# Altium PCB DM1092.PcbDoc (part 5 of 5)
Units mm, origin at the board's own origin, x right, y up, seen from the top; angles counter-clockwise.
Board outline 60 x 51 mm, 6 copper layers (Layer 1, Layer 2, Layer 3, Layer 4, Layer 5, Layer 6), stack 1.599 mm thick; 254 components, 187 nets, 978 pads, 548 vias.
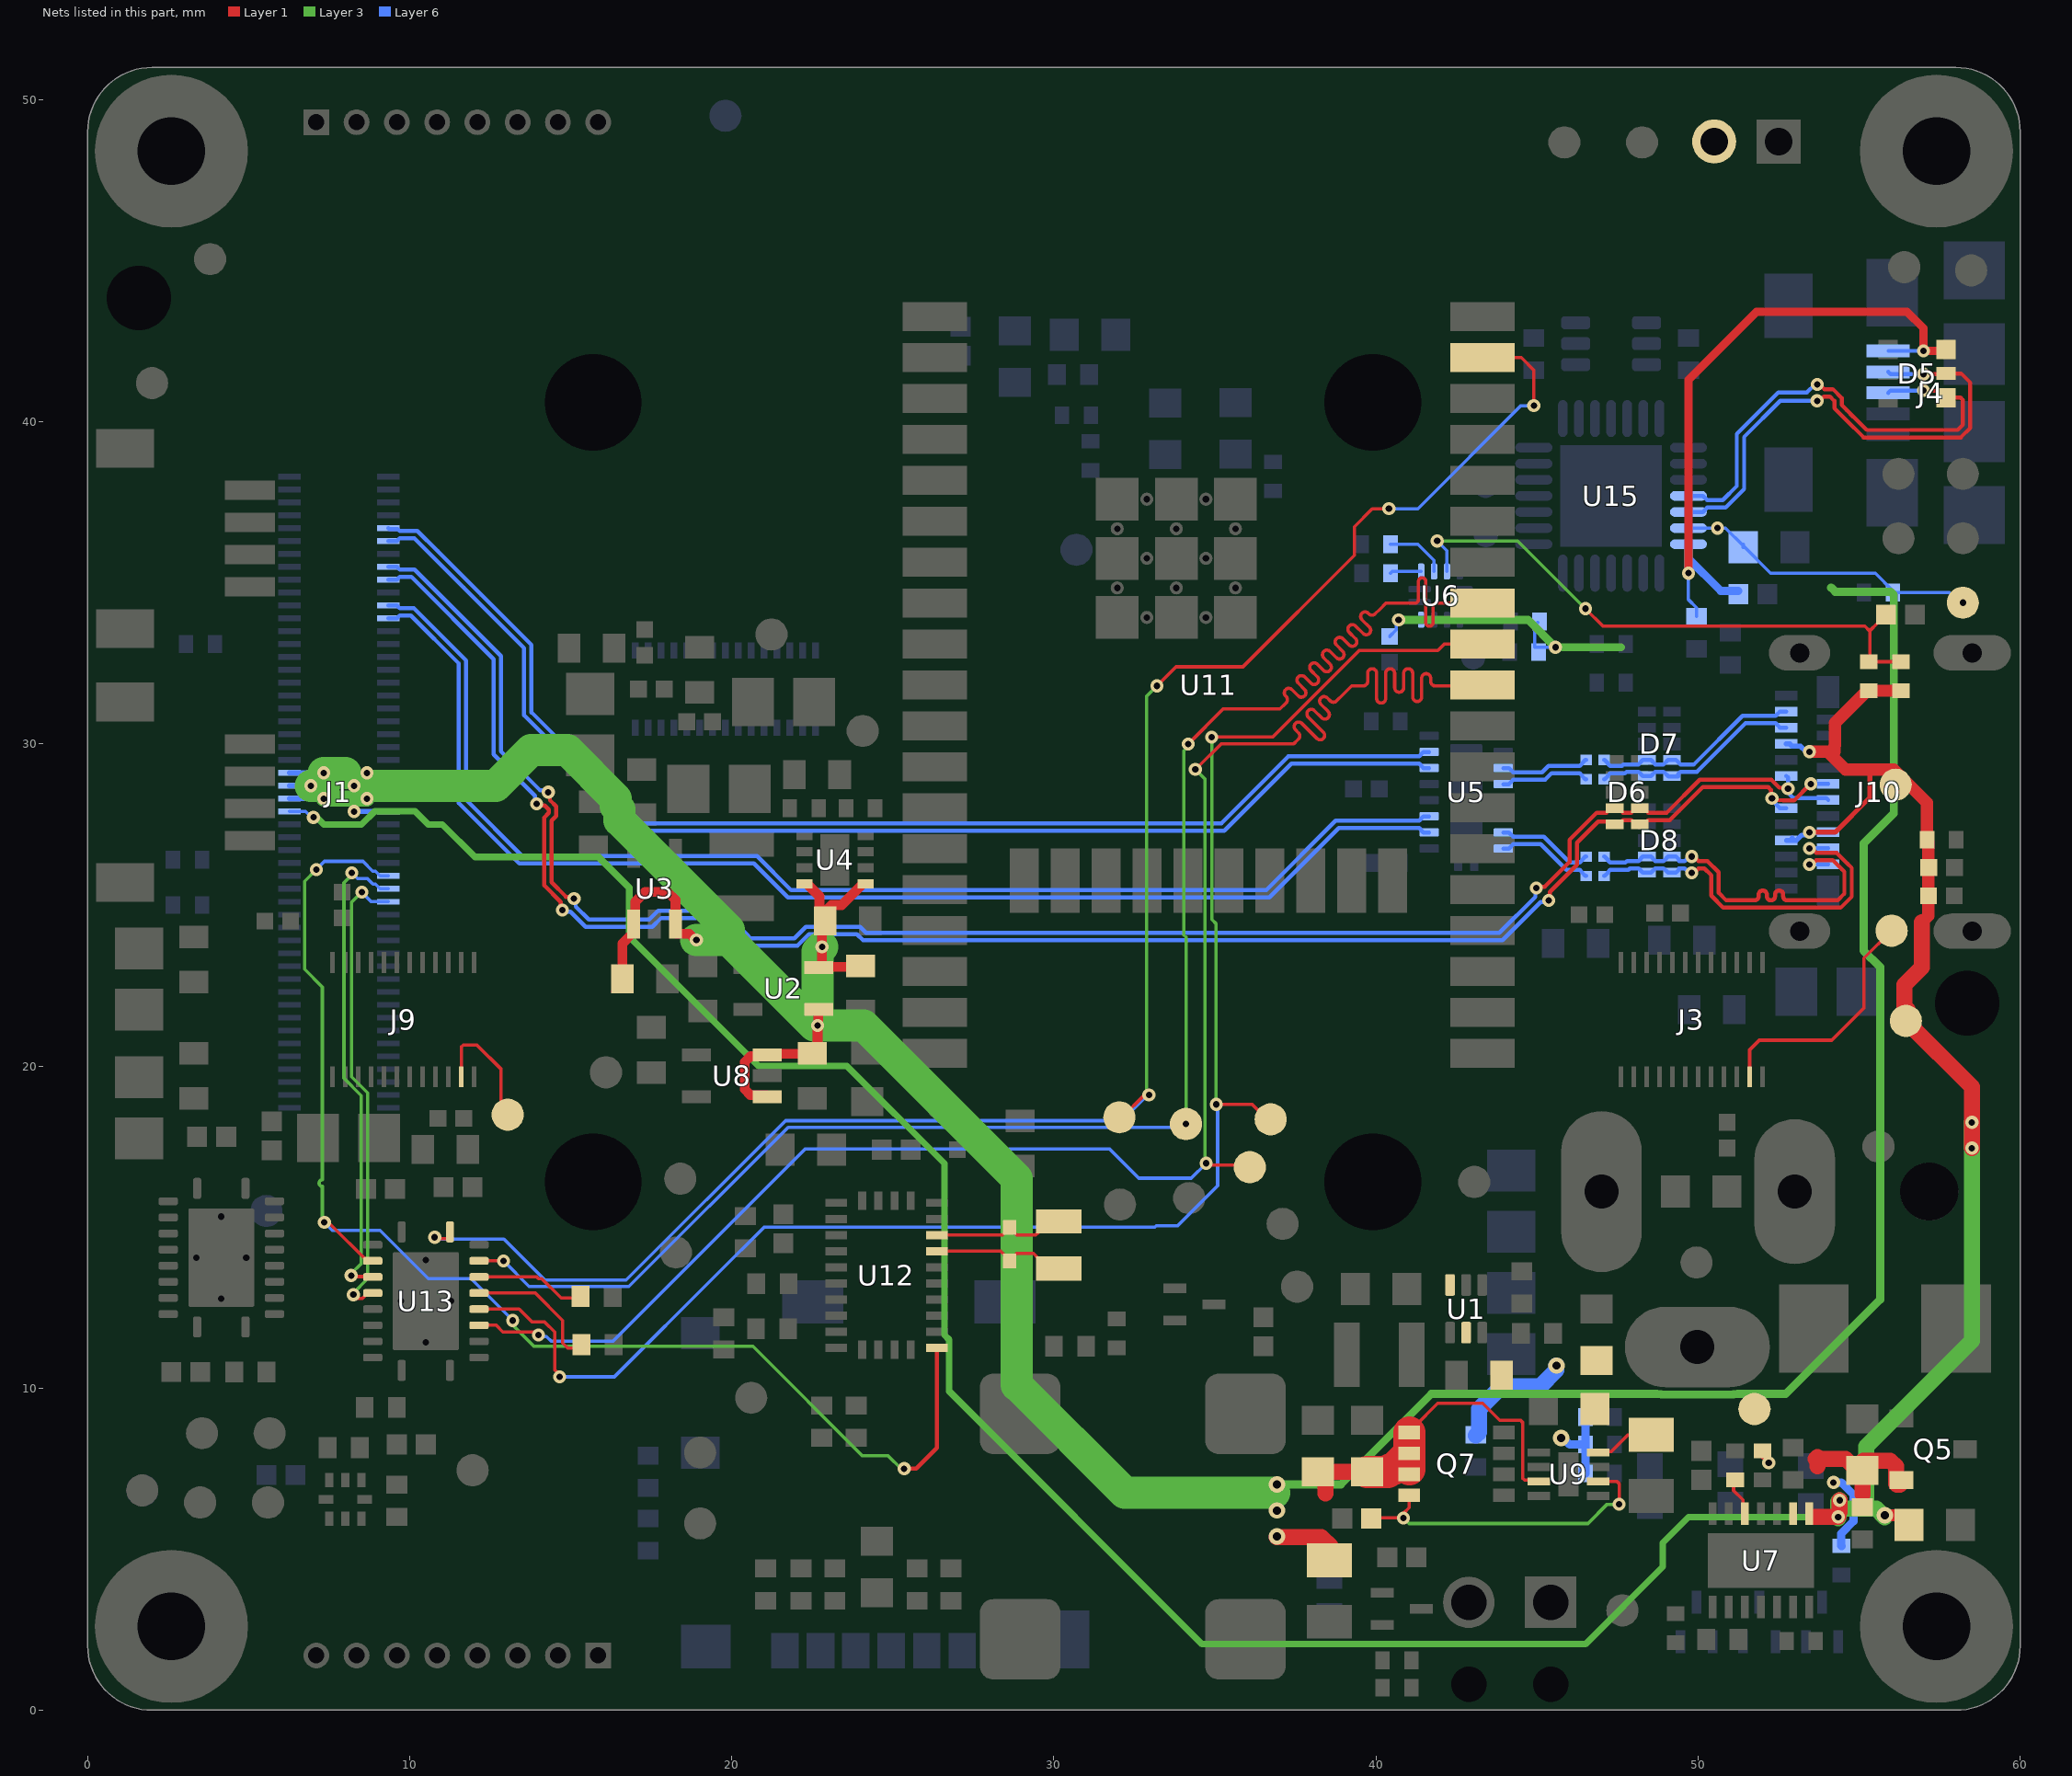
[diagram p9: the nets of this part, all layers, seen from the top]

## Via types
v1: diameter 0.406, hole 0.203, Layer 1 to Layer 6, tented both sides, 495 vias
v2: diameter 0.508, hole 0.254, Layer 1 to Layer 6, tented both sides, 29 vias
v3: diameter 0.508, hole 0.254, Layer 1 to Layer 6, tented top, 16 vias
v4: diameter 0.5, hole 0.2, Layer 1 to Layer 6, 6 vias
v5: diameter 0.406, hole 0.203, Layer 1 to Layer 6, tented bottom, 2 vias

## Nets (pads, with @x,y where several pads share a name; then routed paths per layer and width w, separated by ;. In a path a pad name is that pad's centre, name@x,y a point inside that pad or via, vN(x,y) a via of type N, cw(c..) or ccw(c..) an arc to the next point about the centre after c; other vN are vias at no path point) (continued)
SPI0_SIO1: J1.64 U12.20 U13.3 | length 41.6
  Layer 1 w0.102: v1(7.349,15.145) 7.407,15.086 7.534,15.086 8.67,13.95 U13.3@8.75,13.95
  Layer 1 w0.127: v1(25.35,7.5) 25.722,7.5 26.363,8.141 U12.20@26.363,11.25
  Layer 3 w0.102: v1(7.1,26.1) 6.733,25.733 6.733,23.005 7.287,22.452 7.287,17.652 7.287,17.481 7.287,17.278 7.287,17.075 7.287,16.872 7.287,16.668 7.287,16.465 ccw(c7.287,16.364) 7.287,16.262 7.287,16.059 7.287,15.856 7.287,15.206 v1(7.349,15.145) ; v1(13.2,12.1) 13.2,11.949 13.853,11.296 20.654,11.296 24.054,7.896 24.854,7.896 25.25,7.5 v1(25.35,7.5)
  Layer 6 w0.102: v1(7.1,26.1) 7.354,26.354 8.546,26.354 8.854,26.046 8.933,26.046 9.08,25.9 J1.64@9.34,25.9 ; v1(7.349,15.145) 7.593,14.9 9.074,14.9 10.574,13.4 11.9,13.4 v1(13.2,12.1)
SPI0_SIO2: J1.66 U13.4 | length 15
  Layer 1 w0.102: v1(8.182,13.494) 8.214,13.463 8.838,13.463 U13.4@8.85,13.45
  Layer 3 w0.102: v1(8.182,13.494) 8.182,13.551 8.492,13.861 8.492,19.084 7.958,19.618 7.958,25.685 8.2,25.927 v1(8.2,26)
  Layer 6 w0.102: v1(8.2,26) 8.382,25.818 8.687,25.818 8.858,25.646 8.933,25.646 9.08,25.5 J1.66@9.34,25.5
SPI0_SIO3: J1.68 U13.5 | length 14.6
  Layer 1 w0.102: v1(8.25,12.9) 8.371,12.779 8.529,12.779 8.725,12.975 U13.5@8.75,12.95
  Layer 3 w0.102: v1(8.25,12.9) 8.25,12.95 8.693,13.393 8.693,19.167 8.198,19.663 8.198,25.084 v1(8.514,25.4)
  Layer 6 w0.102: v1(8.514,25.4) 8.514,25.386 8.8,25.1 J1.68@9.34,25.1
STRB2: J9.14 TP18.1 | length 3.9
  Layer 1 w0.102: J9.14@11.6,19.663 11.6,20.594 11.659,20.653 12.085,20.653 12.838,19.9 TP18.1@12.838,18.488
STROBE1: J3.14 TP5.1 | length 7.7
  Layer 1 w0.102: J3.14@51.6,19.663 51.6,20.5 51.9,20.8 54.15,20.8 55.15,21.8 55.15,23.35 TP5.1@56,24.2
TXB1_N: C32.2 U5.15 | length 2.8
  Layer 6 w0.127: U5.15@43.95,28.75 44.125,28.75 44.261,28.886 45.249,28.886 45.449,29.086 46.329,29.086 46.404,29.011 46.404,28.997 46.5,28.9 C32.2@46.52,28.9
TXB1_P: C31.2 U5.14 | length 2.8
  Layer 6 w0.127: U5.14@43.95,29.25 44.125,29.25 44.261,29.114 45.155,29.114 45.355,29.314 46.329,29.314 46.404,29.389 46.404,29.404 46.5,29.5 C31.2@46.52,29.5
TXB_N: C32.1 D7.5 D7.6 J10.A3 | length 6.7
  Layer 6 w0.127: C32.1@47.08,28.9 47.1,28.9 47.197,28.996 47.197,29.011 47.271,29.086 47.729,29.086 47.779,29.136 48.149,29.136 48.285,29 48.535,29 48.671,29.136 48.929,29.136 49.08,28.985 49.19,28.985 49.378,28.985 49.378,29.063 49.451,29.136 49.966,29.136 51.472,30.642 52.405,30.642 52.541,30.506 J10.A3@52.741,30.506
TXB_P: C31.1 D7.4 D7.7 J10.A2 | length 6.7
  Layer 6 w0.127: C31.1@47.08,29.5 47.1,29.5 47.197,29.404 47.197,29.389 47.271,29.314 47.634,29.314 47.684,29.364 48.149,29.364 48.285,29.5 48.535,29.5 48.671,29.364 48.929,29.364 49.065,29.5 49.315,29.5 49.451,29.364 49.871,29.364 51.377,30.871 52.405,30.871 52.541,31.006 J10.A2@52.741,31.006
TXC1_N: C34.2 U5.19 | length 3
  Layer 6 w0.127: U5.19@43.95,26.75 44.125,26.75 44.261,26.886 45.114,26.886 45.914,26.086 46.329,26.086 46.404,26.011 46.404,25.997 46.5,25.9 C34.2@46.52,25.9
TXC1_P: C33.2 U5.18 | length 3
  Layer 6 w0.127: U5.18@43.95,27.25 44.125,27.25 44.261,27.114 45.209,27.114 46.009,26.314 46.329,26.314 46.404,26.389 46.404,26.404 46.5,26.5 C33.2@46.52,26.5
TXC_N: C34.1 D8.5 D8.6 J10.B3 | length 12.2
  Layer 1 w0.127: v1(49.8,25.997) 49.875,25.997 50.014,26.136 50.194,26.136 50.405,25.924 50.405,25.287 50.778,24.914 54.425,24.914 54.769,25.257 54.769,26.152 54.651,26.271 54.301,26.621 53.668,26.621 53.532,26.756 v1(53.457,26.756)
  Layer 6 w0.127: C34.1@47.08,25.9 47.1,25.9 47.197,25.997 47.197,26.011 47.271,26.086 47.834,26.086 47.884,26.136 48.149,26.136 48.285,26 D8.6@48.41,26 48.535,26 48.671,26.136 48.929,26.136 49.065,26 D8.5@49.19,26 49.315,26 49.401,26.087 49.401,26.131 49.406,26.136 49.586,26.136 49.725,25.997 v1(49.8,25.997) ; v1(53.457,26.756) J10.B3@54.041,26.756
TXC_P: C33.1 D8.4 D8.7 J10.B2 | length 12.2
  Layer 1 w0.127: v1(49.8,26.503) 49.875,26.503 50.014,26.364 50.288,26.364 50.634,26.019 50.634,25.381 50.873,25.142 51.689,25.142 51.753,25.142 ccw(c51.753,25.269) 51.88,25.269 51.88,25.32 cw(c52.007,25.32) 52.134,25.32 52.134,25.269 ccw(c52.261,25.269) 52.388,25.269 52.388,25.32 cw(c52.515,25.32) 52.642,25.32 52.642,25.269 ccw(c52.769,25.269) 52.769,25.142 53.467,25.142 54.331,25.142 54.541,25.352 54.541,26.035 54.466,26.109 54.183,26.392 53.668,26.392 53.532,26.256 v1(53.457,26.256)
  Layer 6 w0.127: C33.1@47.08,26.5 47.1,26.5 47.197,26.404 47.197,26.389 47.271,26.314 47.74,26.314 47.79,26.364 48.149,26.364 48.285,26.5 D8.7@48.41,26.5 48.535,26.5 48.671,26.364 48.929,26.364 49.065,26.5 D8.4@49.19,26.5 49.315,26.5 49.401,26.414 49.401,26.369 49.406,26.364 49.586,26.364 49.725,26.503 v1(49.8,26.503) ; v1(53.457,26.256) J10.B2@54.041,26.256
USB_CM: R14.1 U6.3 | length 1
  Layer 6 w0.102: R14.1@40.45,35.3 40.5,35.35 U6.3@41.4,35.35
USB_D_N: D6.1 D6.10 J1.18 J10.A7 J10.B7 | length 57.4
  Layer 1 w0.127: v1@13.942,28.086 v1(13.942,28.142) 13.995,28.089 14.192,28.089 14.319,27.962 14.319,27.857 14.171,27.709 14.171,25.609 14.689,25.092 14.689,24.895 v1(14.742,24.842) ; v1(45.358,25.142) 45.399,25.182 45.399,25.404 46.237,26.243 46.237,26.928 46.895,27.586 47.324,27.586 D6.10@47.41,27.5 47.535,27.5 47.671,27.636 47.929,27.636 48.065,27.5 D6.1@48.19,27.5 48.315,27.5 48.451,27.636 49.124,27.636 50.146,28.657 52.178,28.657 52.259,28.577 52.259,28.338 v1(52.291,28.306) 52.344,28.253 52.626,28.253 52.639,28.24 52.979,28.24 v1(53.496,28.756)
  Layer 6 w0.127: J1.18@9.34,35.1 9.6,35.1 9.686,35.186 10.054,35.186 12.608,32.632 12.608,29.672 13.889,28.392 13.889,28.195 v1(13.942,28.142) ; v1(14.742,24.842) 14.795,24.789 14.992,24.789 15.464,24.317 17.531,24.317 17.811,24.596 19.626,24.596 20.154,24.068 20.485,23.737 22.035,23.737 22.392,24.095 23.884,24.095 24.075,23.904 41.402,23.904 43.815,23.904 43.924,23.904 45.108,25.089 45.305,25.089 v1(45.358,25.142) ; v1(52.291,28.306) 52.291,28.256 52.541,28.006 J10.A7@52.741,28.006 ; v1(53.496,28.756) J10.B7@54.041,28.756
USB_D_P: D6.2 D6.9 J1.16 J10.A6 J10.B6 | length 57
  Layer 1 w0.127: v1(14.3,28.5) 14.353,28.447 14.353,28.25 14.547,28.056 14.547,27.762 14.4,27.615 14.4,25.704 14.85,25.253 15.047,25.253 v1(15.1,25.2) ; v1(44.975,25.525) 45.015,25.566 45.237,25.566 46.009,26.338 46.009,27.023 46.85,27.864 47.149,27.864 47.285,28 D6.9@47.41,28 47.535,28 47.671,27.864 47.929,27.864 48.065,28 D6.2@48.19,28 48.315,28 48.451,27.864 49.029,27.864 50.051,28.886 52.273,28.886 52.52,28.638 52.759,28.638 v1(52.791,28.606)
  Layer 6 w0.127: J1.16@9.34,35.5 9.6,35.5 9.686,35.414 10.149,35.414 12.836,32.727 12.836,29.767 14.05,28.553 14.247,28.553 v1(14.3,28.5) ; v1(15.1,25.2) 15.153,25.147 15.153,24.95 15.558,24.545 17.436,24.545 17.716,24.825 19.721,24.825 19.788,24.758 20.47,24.076 20.58,23.966 21.94,23.966 22.298,24.323 23.979,24.323 24.17,24.132 43.829,24.132 44.947,25.25 44.947,25.447 v1@45,25.5 ; J10.A6@52.741,29.006 52.791,28.956 v1(52.791,28.606) 52.844,28.553 52.844,28.431 52.956,28.32 53.977,28.32 J10.B6@54.041,28.256
USB_PORT: R16.1 U6.4 | length 1.9
  Layer 6 w0.102: R16.1@40.45,36.2 41.3,36.2 41.8,35.7 U6.4@41.8,35.35
USB_RX_N: J1.12 U5.7 | length 38.3
  Layer 6 w0.127: J1.12@9.34,36.3 9.6,36.3 9.686,36.386 10.141,36.386 11.678,34.849 11.812,34.715 13.552,32.974 13.552,30.883 17.13,27.305 35.293,27.305 37.374,29.386 41.339,29.386 41.475,29.25 U5.7@41.65,29.25
USB_RX_P: J1.10 U5.8 | length 38.3
  Layer 6 w0.127: J1.10@9.34,36.7 9.366,36.674 9.626,36.674 9.686,36.614 10.236,36.614 10.856,35.994 12.218,34.632 13.781,33.069 13.781,30.977 17.225,27.533 35.198,27.533 37.279,29.614 41.339,29.614 41.475,29.75 U5.8@41.65,29.75
USB_SUSP: R50.2 U7.5 | length 1.2
  Layer 1 w0.102: R50.2@51.1,7.15 51.1,6.815 51.389,6.526 51.389,6.161 U7.5@51.45,6.1
USB_TX_N: J1.24 U5.3 | length 39.5
  Layer 6 w0.127: J1.24@9.34,33.9 9.6,33.9 9.686,33.986 10.033,33.986 11.525,32.494 11.525,28.161 13.397,26.288 20.688,26.288 21.742,25.235 36.69,25.235 38.841,27.386 41.339,27.386 41.475,27.25 U5.3@41.65,27.25
USB_TX_P: J1.22 U5.4 | length 39.5
  Layer 6 w0.127: J1.22@9.34,34.3 9.6,34.3 9.686,34.214 10.128,34.214 11.753,32.589 11.753,28.256 13.492,26.517 20.783,26.517 21.836,25.464 36.596,25.464 38.746,27.614 41.339,27.614 41.475,27.75 U5.4@41.65,27.75
USBSER_D_N: D5.4 J4.3 U15.4 | length 14.7
  Layer 1 w0.127: v1(53.7,41.161) 53.768,41.161 53.914,41.014 54.183,41.014 54.457,40.74 54.457,40.52 54.625,40.352 54.809,40.168 54.819,40.158 55.233,39.744 58.059,39.744 58.222,39.907 58.222,40.676 58.148,40.75 D5.4@57.7,40.75 ; v1(57,40.972) D5.4@57.478,40.972
  Layer 6 w0.127: U15.4@49.7,37.7 50.15,37.7 50.286,37.564 50.465,37.564 50.761,37.564 51.201,38.004 51.201,39.625 52.49,40.913 53.377,40.913 53.625,41.161 v1(53.7,41.161) ; J4.3@55.9,40.9 55.972,40.972 v1(57,40.972)
USBSER_D_P: D5.5 J4.2 U15.5 | length 16.1
  Layer 1 w0.127: v1(53.694,40.648) 53.77,40.648 53.907,40.786 54.088,40.786 54.228,40.645 54.228,40.425 54.58,40.073 55.138,39.516 58.154,39.516 58.451,39.813 58.451,41.214 58.165,41.5 D5.5@57.7,41.5 57.678,41.478 v1(57,41.478)
  Layer 6 w0.127: U15.5@49.7,37.2 50.15,37.2 50.286,37.336 50.465,37.336 50.856,37.336 51.429,37.909 51.429,39.53 52.548,40.648 v1(53.694,40.648) ; J4.2@55.9,41.55 55.972,41.478 v1(57,41.478)
VBUS: C29.2 C30.2 C66.2 J1.53 J10.A4 J10.A9 J10.B4 J10.B9 R11.2 R15.1 R17.1 TP8.1 TP19.1 U7.1 | length 109.5
  Layer 1 w0.152: v1(53.457,27.256) 54.253,27.256 55.329,28.332 55.329,29.2
  Layer 1 w0.381: v1(53.457,29.756) 54.028,29.756 ; v2(55.796,6.052) 56.446,6.052 56.484,6.015 56.49,6.021 56.725,5.786 C66.2@56.725,5.75 ; R15.1@56.299,31.649 55.249,31.649 54.251,30.651 54.251,29.949 54.231,29.93 54.231,29.75 54.029,29.75 54.579,29.2 55.329,29.2 56.079,29.2 57.101,28.178 R11.2@57.101,27.02 ; 56.95,24.464 57.151,24.665 C29.2@57.151,25.282 57.151,26.094 57.159,26.101 57.159,26.225 57.151,26.233 57.151,26.865 57.143,26.873 57.143,26.942 57.101,26.984 R11.2@57.101,27.02 ; R11.2@57.109,27.027 R11.2@57.101,27.02
  Layer 1 w0.5: 53.612,6 v1(54.35,6) ; v1@54.394,6.155 v1(54.394,6.517) ; TP8.1@56.45,21.4 58.5,19.35 v1(58.5,18.25) v1(58.5,17.45) ; TP8.1@56.5,21.75 56.401,21.849 56.401,22.519 56.95,23.069 56.95,24.464
  Layer 3 w0.203: v1(7.01,27.719) 7.113,27.719 7.337,27.495 8.503,27.495 8.912,27.905 10.168,27.905 10.577,27.495 11.017,27.495 12.024,26.488 15.86,26.488 16.815,25.534 16.815,24.013 20.825,20.002 23.568,20.002 26.6,16.971 26.6,11.65 26.75,11.5 26.75,9.9 34.6,2.05 46.5,2.05 48.9,4.45 48.9,5.2 49.7,6 v1(54.35,6)
  Layer 3 w0.5: v1@54.35,5.956 v1(54.35,6) 54.35,6.259 ; v1(54.394,6.517) 54.35,6.473 54.35,6.259 ; v2@55.796,5.995 55.532,6.259 55.217,6.259 ; v1(58.5,18.25) 58.498,18.248 58.498,11.465 55.217,8.185 55.217,6.259 ; 54.35,6.259 55.217,6.259
  Layer 6 w0.102: J1.53@6.26,27.9 6.264,27.904 6.762,27.904 6.947,27.719 v1(7.01,27.719)
  Layer 6 w0.152: J10.A9@52.741,27.006 52.747,27 J10.A9@52.85,27 ; J10.A9@52.924,27.074 J10.A9@52.85,27 ; v1(53.457,27.256) 53.463,27.25 53.566,27.25 J10.B4@54.041,27.25 ; v1@53.48,27.233 53.415,27.168 53.213,27.168 53.124,27.079 53.124,27.074 53.05,27 52.924,27 J10.A9@52.85,27 ; J10.B4@54.041,27.256 54.047,27.25 54.15,27.25 J10.B4@54.152,27.252
  Layer 6 w0.158: J10.A4@52.741,30.006 52.747,30 52.85,30 52.921,29.929 53.176,29.929 53.308,29.798 v1@53.457,29.798 ; v1(53.457,29.756) 53.463,29.75 53.566,29.75 54.041,29.75 J10.B9@54.041,29.756
VBUS_1: C68.2 D5.6 J4.1 R42.1 U15.7 | length 21.2
  Layer 1 w0.254: v1(49.7,35.3) 49.7,41.3 51.819,43.419 56.481,43.419 57,42.9 v1(57,42.2) 57.65,42.2 D5.6@57.7,42.25
  Layer 6 w0.102: v1(49.7,35.3) 49.7,34.479 49.95,34.229 R42.1@49.95,33.95 ; J4.1@55.9,42.2 v1(57,42.2)
  Layer 6 w0.254: v1(49.7,35.3) 49.7,35.75 ; U15.7@49.7,36.2 49.7,35.75 ; C68.2@51.25,34.75 50.7,34.75 49.7,35.75
VBUS_DET: C41.2 R15.2 R17.2 U6.5 | length 18.3
  Layer 1 w0.102: v1(46.5,34.2) 47.046,33.654 55.181,33.654 55.328,33.507 ; C41.2@55.836,34.016 55.577,33.757 55.328,33.507 ; R15.2@56.299,32.549 R17.2@55.299,32.549 55.328,32.578 55.328,33.507
  Layer 3 w0.102: v1(41.9,36.3) 44.4,36.3 v1(46.5,34.2)
  Layer 6 w0.102: v1(41.9,36.3) 42.2,36 U6.5@42.2,35.35
VDD: C58.2 R45.1 TP59.1 U15.6 | length 9.5
  Layer 6 w0.102: U15.6@49.7,36.7 v1(50.6,36.7) 50.85,36.7 C58.2@51.4,36.15 ; C58.2@51.4,36.1 C58.2@51.4,36.15 ; C58.2@51.4,36.2 C58.2@51.4,36.15 ; v1@58.117,34.383 57.8,34.7 R45.1@56.05,34.7 56.05,34.75 55.5,35.3 52.25,35.3 C58.2@51.4,36.15
  other v1: 58.219,34.383
VDD_5V: C17.2 C19.2 C21.2 C36.2 C38.2 C62.2 C63.2 J1.47 J1.48 J1.49 J1.50 J1.51 J1.52 J1.54 J8.P2 Q7.1 Q7.2 Q7.3 R20.2 R21.2 R31.2 R32.2 R33.2 R34.2 R51.1 R56.1 U2.1 U2.3 U3.1 U3.3 U4.1 U4.8 U6.12 U8.1 U8.3 U9.3 | length 151.7
  Layer 1 w0.102: C19.2@16.301,22.301 16.6,22.6 C19.2@16.6,22.7 ; Q7.1@41.309,8.784 41.309,8.922 41.802,9.415 41.918,9.531 43.308,9.531 43.843,8.996 44.49,8.996 44.549,8.936 44.549,7.206 44.609,7.146 45.004,7.146 U9.3@45.05,7.1
  Layer 1 w0.25: v1@22.646,21.254 v1(22.66,21.254)
  Layer 1 w0.254: R51.1@51.9,8.05 52.251,7.699 52.23,7.678 v1(52.193,7.678)
  Layer 1 w0.305: C19.2@16.6,22.7 16.6,23.8 16.902,24.102 16.902,24.352 16.998,24.448 16.998,25.098 17.306,25.407 18.001,25.407 18.25,25.158 18.25,24.15 18.298,24.102 18.682,24.102 18.873,23.912 v1(18.9,23.912) ; U8.1@21.1,19.05 21.052,19.098 20.576,19.098 20.398,19.276 20.398,20.124 20.576,20.302 21.052,20.302 U8.3@21.1,20.35 ; U8.3@21.125,20.375 22.475,20.375 22.66,20.56 22.66,21.154 22.679,21.173 22.679,21.729 U2.1@22.7,21.75 ; U4.8@22.348,25.638 22.719,25.266 22.719,24.881 C21.2@22.9,24.7 ; U2.3@22.7,23.05 U2.3@22.848,23.05 ; U2.3@22.9,23.05 U2.3@22.848,23.05 ; U2.3@22.998,23.075 23.975,23.075 C17.2@24,23.1 ; U4.1@24.052,25.638 23.412,24.998 23.098,24.998 22.9,24.8 C21.2@22.9,24.7 ; U2.3@22.848,23.05 22.8,23.098 v1(22.8,23.7) 22.8,24.6 C21.2@22.9,24.7
  Layer 1 w0.5: v2@36.92,5.375 38.307,5.375 38.6,5.082 38.6,4.65 38.5,4.55 R56.1@38.55,4.5 ; 38.433,6.731 38.433,7.2 38.233,7.4 C63.2@38.2,7.4 C62.2@39.725,7.4
  Layer 1 w1: C62.2@39.725,7.4 40.366,7.4 40.451,7.485 40.54,7.485 Q7.2@41.03,7.975 ; Q7.3@41.03,7.485 Q7.2@41.03,7.975 ; Q7.1@41.03,8.625 Q7.2@41.03,7.975
  Layer 3 w0.102: v1(8.27,28.7) 8.67,28.7 v1(8.67,29.1)
  Layer 3 w0.25: v2(36.92,7.007) 38.907,7.007 41.721,9.821 48.725,9.821 ccw(c48.975,11.275) 48.975,9.8 50.975,9.8 ccw(c50.975,11.275) 51.225,9.821 52.721,9.821 55.65,12.75 ; v1(40.7,33.851) 44.719,33.851 v1(45.57,33) 47.6,33
  Layer 3 w0.254: J8.P2@50.5,48.7 J8.P2@50.546,48.654 ; 54.133,34.849 54.257,34.725 55.975,34.725 56.075,34.625 56.075,27.844 55.14,26.909 55.14,23.583 55.65,23.072 55.65,12.75
  Layer 3 w0.5: v1(7.33,28.3) v1(8.67,28.3)
  Layer 3 w1: v1(6.93,28.7) 7.33,28.7 ; v1(7.33,29.1) 7.998,29.1 8.002,29.097 ; 8.67,28.7 9.664,28.7 9.667,28.697 10.333,28.697 10.336,28.7 12.664,28.7 13.767,29.803 14.891,29.803 16.397,28.297 16.397,28.067 16.503,27.961 16.503,27.63 19.901,24.232 19.901,23.912 ; v1(18.9,23.912) 19.901,23.912 ; v1(22.8,23.7) 22.66,23.56 v1(22.66,21.254) ; 36.837,6.75 32.2,6.75 28.85,10.1 28.85,16.5 24.096,21.254 v1(22.66,21.254) ; 19.901,23.912 22.56,21.254 v1(22.66,21.254)
  Layer 6 w0.102: C36.2@40.424,33.333 40.633,33.543 v1@40.633,33.701 ; v1(40.7,33.851) U6.12@41.4,33.85 U6.12@41.4,33.85 ; R20.2@45.025,33.776 44.92,33.672 44.92,33 v1(45.57,33)
  Layer 6 w0.15: J1.51@6.26,28.3 v1(7.33,28.3) v1(8.67,28.3) J1.52@9.34,28.3 ; J1.49@6.26,28.7 v1(6.93,28.7) v1(8.27,28.7) J1.50@9.34,28.7 ; J1.47@6.26,29.1 v1(7.33,29.1) v1(8.67,29.1) J1.48@9.34,29.1 ; v1(8.27,27.9) J1.54@9.34,27.9
  Layer 6 w0.254: v2(45.75,8.45) 45.816,8.45 46.016,8.25 R33.2@46.5,8.25 ; R34.2@46.41,7.44 R34.2@46.5,7.35 R33.2@46.5,8.25 ; R32.2@46.5,9.1 R33.2@46.5,8.25 ; v1(54.203,7.07) 54.45,7.07 54.825,6.695 54.825,5.866 54.446,5.488 54.446,5.104 R31.2@54.45,5.1
  other v2: 36.92,5.393 36.92,6.2
VDD_5V_BAT: C13.2 C15.2 C60.2 Q5.2 R25.1 R27.2 R48.2 R49.2 TP7.1 U1.3 U1.5 U7.2 U9.8 | length 10.5
  Layer 1 w0.102: U9.8@47.075,8.025 47.3,8.025 47.825,8.55 R25.1@48.55,8.55 R25.1@48.7,8.55
  Layer 1 w0.5: 53.712,7.575 53.712,7.803 ; 55.1,6.7 C13.2@55.1,7.625 ; Q5.2@56.259,6.998 56.17,6.998 56.141,7.027 56.141,7.575 55.967,7.75 55.125,7.75 55.1,7.725 C13.2@55.1,7.625 ; 53.712,7.803 53.712,7.862 53.653,7.803 53.712,7.803 ; 53.712,7.803 54.579,7.803 54.757,7.625 C13.2@55.1,7.625
  Layer 6 w0.5: R48.2@43.1,8.525 43.205,8.63 43.205,9.355 43.9,10.05 45.095,10.05 45.602,10.557 v2(45.602,10.7)
VING: C64.2 Q7.4 U9.6 | length 10.1
  Layer 1 w0.102: C64.2@39.8,6 39.83,5.97 v1(40.85,5.97) ; v1@40.85,6 40.85,6.11 41.03,6.29 Q7.4@41.03,6.675 ; U9.6@46.9,7.1 46.904,7.096 47.487,7.096 47.547,7.036 v1(47.547,6.393)
  Layer 3 w0.102: v1(40.85,5.97) 41.024,5.796 46.577,5.796 47.174,6.393 v1(47.547,6.393)
VSPI_CS0: TP44.1 U11.29 U13.14 | length 58.2
  Layer 1 w0.102: U13.14@12.15,11.95 12.686,11.95 12.89,11.746 13.904,11.746 v1(14,11.65) ; v1(34.392,29.212) 34.403,29.212 35.199,30.008 37.45,30.008 37.556,30.113 37.592,30.149 ccw(c37.493,30.247) 37.592,30.346 37.499,30.439 cw(c37.598,30.538) 37.697,30.636 38.166,30.167 ccw(c38.265,30.266) 38.363,30.365 37.894,30.834 cw(c37.993,30.933) 38.092,31.031 38.314,30.809 ccw(c38.413,30.908) 38.511,30.809 ccw(c38.413,30.908) 38.511,31.007 38.289,31.229 cw(c38.388,31.328) 38.487,31.427 38.579,31.334 ccw(c38.678,31.433) 38.777,31.334 38.971,31.529 39.243,31.8 39.55,31.8 39.601,31.8 ccw(c39.601,31.94) 39.741,31.94 39.741,32.193 cw(c39.88,32.193) 40.02,32.193 40.02,31.407 ccw(c40.16,31.407) 40.299,31.407 40.299,32.193 cw(c40.439,32.193) 40.579,32.193 40.579,31.744 ccw(c40.718,31.744) 40.858,31.744 40.858,32.193 cw(c40.998,32.193) 41.138,32.193 41.138,31.457 ccw(c41.277,31.457) 41.417,31.457 41.417,32.04 cw(c41.557,32.04) 41.696,32.04 41.696,31.94 ccw(c41.836,31.94) 41.836,31.8 42.245,31.8 43.27,31.8 U11.29@43.3,31.83 ; v1(34.729,16.981) 34.787,16.923 36.016,16.923 TP44.1@36.08,16.858
  Layer 3 w0.102: v1(34.392,29.212) 34.685,28.919 34.685,17.025 v1(34.729,16.981)
  Layer 6 w0.102: v1(14,11.65) 14.05,11.6 14.25,11.6 14.4,11.45 16.3,11.45 22.28,17.43 31.72,17.43 32.632,16.518 34.265,16.518 v1(34.729,16.981)
VSPI_HOLDn_SIO3: R61.1 U13.16 | length 4.4
  Layer 1 w0.102: U13.16@12.15,12.95 13.9,12.95 14.75,12.1 14.75,11.4 14.908,11.242 15.173,11.242 R61.1@15.331,11.4
VSPI_SCK: TP42.1 U11.30 U13.15 | length 52.5
  Layer 1 w0.102: U13.15@12.15,12.45 12.154,12.454 13.395,12.454 13.799,12.05 14.189,12.05 14.5,11.739 14.5,10.562 14.65,10.412 v1(14.65,10.35) ; v1(34.9,30.209) 36.787,30.209 39.478,32.9 39.965,32.9 41.919,32.9 42.119,33.1 U11.30@43.3,33.1 ; v1@35.068,18.78 v1(35.039,18.81) 36.155,18.81 36.59,18.374 36.699,18.374 TP42.1@36.728,18.344
  Layer 3 w0.102: v1(34.9,30.209) 34.9,24.55 35.039,24.411 v1(35.039,18.81)
  Layer 6 w0.102: v1(14.65,10.35) 16.352,10.35 19.557,13.555 19.561,13.555 21.006,15 33.132,15 33.174,15.042 33.842,15.042 34.346,15.546 ; 34.347,15.546 34.554,15.753 35.083,16.283 35.083,18.766 v1(35.039,18.81)
VSPI_SDI_SIO1: TP41.1 U11.31 U13.18 | length 55.6
  Layer 1 w0.102: U13.18@12.15,13.95 12.91,13.95 v1(12.914,13.946) ; v1(34.167,29.995) 35.254,31.082 37.02,31.082 37.174,31.236 37.21,31.272 ccw(c37.111,31.37) 37.21,31.469 37.192,31.487 cw(c37.291,31.585) 37.39,31.684 37.584,31.49 ccw(c37.683,31.588) 37.782,31.687 37.587,31.882 cw(c37.686,31.981) 37.785,32.079 37.979,31.885 ccw(c38.078,31.983) 38.177,31.885 ccw(c38.078,31.983) 38.177,32.082 37.982,32.277 cw(c38.081,32.376) 38.18,32.475 38.375,32.28 ccw(c38.473,32.379) 38.572,32.477 38.377,32.672 cw(c38.476,32.771) 38.575,32.87 38.77,32.675 ccw(c38.869,32.774) 38.967,32.675 ccw(c38.869,32.774) 38.967,32.872 38.773,33.067 cw(c38.871,33.166) 38.97,33.265 39.165,33.07 ccw(c39.264,33.169) 39.362,33.268 39.168,33.462 cw(c39.266,33.561) 39.365,33.66 39.598,33.427 ccw(c39.697,33.526) 39.795,33.427 ccw(c39.697,33.526) 39.795,33.625 39.563,33.857 cw(c39.662,33.956) 39.76,34.055 39.778,34.037 ccw(c39.877,34.136) 39.975,34.037 40.125,34.187 40.308,34.37 41.151,34.37 41.202,34.37 ccw(c41.202,34.484) 41.316,34.484 41.316,35.043 cw(c41.43,35.043) 41.545,35.043 41.545,33.768 ccw(c41.659,33.768) 41.773,33.768 41.773,34.256 cw(c41.887,34.256) 41.887,34.37 42.15,34.37 U11.31@43.3,34.37
  Layer 3 w0.102: v1(34.1,18.2) 34.1,24.002 34.038,24.064 34.038,29.783 34.167,29.912 v1(34.167,29.995)
  Layer 6 w0.102: v1(12.914,13.946) 13.708,13.152 16.802,13.152 21.749,18.099 33.999,18.099 v1(34.1,18.2)
VSPI_SDO_SIO0: TP31.1 U11.37 U13.20 | length 59.1
  Layer 1 w0.102: v1(10.774,14.683) 10.819,14.638 11.189,14.638 11.25,14.7 U13.20@11.25,14.85 ; TP31.1@32.033,18.407 32.121,18.407 32.814,19.1 v1(32.95,19.1) ; v1(33.2,31.8) 33.793,32.393 35.867,32.393 39.325,35.85 39.325,36.744 39.881,37.3 v1(40.4,37.3) ; U11.37@42.75,41.99 44.51,41.99 44.9,41.6 v1(44.9,40.5)
  Layer 3 w0.102: v1(32.95,19.1) 32.896,19.1 32.871,19.125 32.871,31.471 v1(33.2,31.8)
  Layer 6 w0.102: v1(10.774,14.683) 10.831,14.626 12.924,14.626 14.196,13.353 16.718,13.353 21.666,18.301 32.097,18.301 32.896,19.1 v1(32.95,19.1) ; v1(40.4,37.3) 41.3,37.3 44.5,40.5 v1(44.9,40.5)
VSPI_WPn_SIO2: R60.1 U13.17 | length 3.4
  Layer 1 w0.102: U13.17@12.15,13.45 13.95,13.45 13.998,13.402 14.098,13.402 14.7,12.8 15.25,12.8 R60.1@15.3,12.85
XIN: C48.2 U12.27 Y1.1 | length 4.2
  Layer 1 w0.102: U12.27@26.363,14.75 28.405,14.75 C48.2@28.625,14.97 ; C48.2@28.625,14.99 C48.2@28.625,14.97 ; Y1.1@30.15,15.175 29.825,15.175 29.513,14.863 29.513,14.834 29.439,14.76 28.835,14.76 C48.2@28.625,14.97
XOUT: C47.2 U12.26 Y1.2 | length 4.2
  Layer 1 w0.102: U12.26@26.363,14.25 28.345,14.25 C47.2@28.625,13.97 ; C47.2@28.625,13.95 C47.2@28.625,13.97 ; Y1.2@30.15,13.715 29.839,14.027 29.513,14.027 29.36,14.18 28.846,14.18 28.782,14.117 28.771,14.117 C47.2@28.625,13.97
pads on no net: D5.1 D5.3 FID1.1 FID2.1 FID3.1 FID4.1 FID5.1 FID6.1 J2.16 J2.21 J2.22 J4.4 J7. J10.A8 J10.B8 J13.MH1 J13.MH2 J14.8 U1.6 U2.4 U3.4 U4.6 U5.1 U5.10 U6.9 U7.13 U8.4 U9.2 U9.5 U11.17 U11.18 U11.19 U11.20 U11.21 U11.22 U11.32 U12.1 U12.7 U12.8 U12.12 U12.13 U12.21 U12.22 U12.23 U12.24 U13.9 U13.12 U14.3 U14.9 U14.12 U14.18 U15.1 U15.2 U15.10 U15.11 U15.12 U15.13 U15.14 U15.15 U15.16 U15.17 U15.18 U15.19 U15.20 U15.21 U15.22 U15.23 U15.27
copper on no net: | length 55.7
  Layer 1 w0.102: 26.3,20.4 26.525,20.175 30.275,20.175 34.165,24.065 34.165,25.75 ; 26.3,21.67 30.47,21.67 32.895,24.095 32.895,25.75 ; 26.3,22.94 30.44,22.94 31.625,24.125 31.625,25.75 ; 35.435,25.75 35.435,24.065 39.1,20.4 43.3,20.4 ; 36.705,25.75 36.7,25.745 36.7,24.1 39.13,21.67 43.3,21.67 ; 37.975,25.75 37.975,24.125 39.16,22.94 43.3,22.94

## Polygon pours and split planes (outlines as drawn)
GND on Layer 1 "GND_L01_P027" (solid, remove dead copper, pour order 27): 0,1.85 ccw(c1.85,1.85) 1.85,0 58,0.051 ccw(c58.23,1.767) 59.946,1.539 60,49 ccw(c58,49) 58,51 2,51 ccw(c2,49) 0,49
BAT+ on Layer 1 "BAT+_L01_P024" (solid, pour order 24): 44.5,4.2 44.05,3.75 44.05,2.45 46.35,0.15 54.35,0.15 55.3,1.1 55.3,3.55 54.8,4.05 53.4,4.05 53.15,3.8 53.15,2.8 54,1.95 54,1.45 53.95,1.4 48.2,1.4 47.2,2.4 47.2,3.85 46.85,4.2
VDD_5V_BAT on Layer 1 "VDD_5V_BAT_L01_P018" (solid, pour order 18): 52.65,5.7 52.7,5.65 53.25,5.65 53.3,5.7 53.3,6.25 53.6,6.55 56.65,6.55 56.8,6.7 56.8,7.55 56.45,7.9 53.3,7.9 52.9,7.5 52.9,7 52.65,6.75
VDD_5V_BAT on Layer 1 "VDD_5V_BAT_L01_P002" (solid, pour order 2): 42.124,13.674 41.7,13.253 41.7,12.55 42.073,12.177 42.401,12.177 42.5,12.078 42.5,10.75 43.25,10 43.6,9.65 45.6,9.65 46.313,8.937 46.313,8.037 46.6,7.75 46.65,7.8 52.35,7.8 52.65,7.5 52.65,5.975 52.975,5.65 54.45,5.65 55.35,6.55 56.65,6.55 56.65,7.7 55.95,8.4 54.945,8.4 53.145,10.2 49.155,10.2 47.705,11.65 43.5,11.65 43.047,12.103 43.047,13.452 42.824,13.674
NetC40_2 on Layer 1 "NETC40_2_L01_P032" (solid, pour order 32): 46.902,19.313 45.05,17.461 45.05,14.7 46.75,13 51,13 52.15,11.85 52.15,10.3 52.3,10.3 56.1,6.5 59.15,6.5 59.45,6.8 59.45,8.75 58.35,9.85 56.85,9.85 56.1,10.6 56.1,12.9 56.083,12.9 54.933,14.05 51.65,14.05 50.2,15.5 50.2,18.322 49.209,19.313
NetC40_2 on Layer 1 "NETC40_2_L01_P023" (solid, pour order 23): 46.8,18.85 45.5,17.55 45.5,14.499 47.999,12 52,12 52.3,11.7 56.9,7.1 58.95,7.1 59.85,8 59.85,9.35 59.15,10.05 56.75,10.05 55.85,10.95 55.85,13 50,18.85
5V_IN1 on Layer 1 "5V_IN1_L01_P017" (solid, pour order 17): 49.525,7.25 49.8,6.975 49.8,5.55 49.45,5.2 42.55,5.2 41.85,5.9 41.85,9.25 42.05,9.45 44,9.45 44.75,8.7 44.75,6.45 45.075,6.125 46.619,6.125 47.744,7.25
VDD_5V on Layer 1 "VDD_5V_L01_P026" (solid, pour order 26): 41.25,9.55 41.6,9.2 41.6,7.05 40.9,6.35 38.751,6.35 38.25,5.849 38.25,4.9 37.9,4.55 36.4,4.55 35.75,5.2 35.75,7 36.45,7.7 37.35,7.7 37.85,8.2 39.85,8.2 40.35,8.7 40.35,9.4 40.5,9.55
NetL2_1 on Layer 1 "NETL2_1_L01_P033" (solid, pour order 33): 42.401,12.177 40.627,12.177 40.3,11.85 40.3,10.35 40.8,9.85 41.8,9.85 41.95,10 41.95,10.8 42.5,11.35 42.5,12.078
NetL2_1 on Layer 1 "NETL2_1_L01_P003" (solid, pour order 3): 40.55,12 40.55,10.1 40.8,9.85 41.45,9.85 41.75,10.15 41.75,10.9 42.088,11.238 42.336,11.238 42.5,11.402 42.5,12.15 42.4,12.25 40.8,12.25
3V3 on Layer 1 "3V3_L01_P001" (solid, pour order 1): 38.6,13.6 37.35,12.35 37.35,10.35 37.95,9.75 39,9.75 39,12.776 39.75,13.425 39.575,13.6
no net on Layer 1 "NONET_L01_P028" (solid, pour order 28): 53.6,7
no net on Layer 1 "NONET_L01_P016" (solid, pour order 16): 49.05,7.25
VBUS on Layer 1 "VBUS_L01_P005" (solid, remove dead copper, pour order 5): 58.053,29.981 58.053,24.38 58.053,23.056 55.667,23.056 55.667,26.3 55.217,26.75 53.237,26.75 53.237,29.982
NetL1_1 on Layer 1 "NetL1_1" (solid, remove dead copper, pour order 0): 22.25,26.29 20.29,26.29 19.3,25.3 19.3,24.5 21.3,24.5 21.3,25.31 22,26.01 22.25,26.01
no net on Layer 1 "NONET_L01_P014" (solid, remove dead copper, pour order 14): 53.542,29.774
VDD_5V on Layer 3 "L3_VDD_5V" (solid, remove dead copper, pour order 8): 41.342,15.529 37.063,11.25 32.672,11.25 30.117,13.805 30.117,16.434 15.134,31.416 6.033,31.416 6.033,26.45 14.378,26.45 21.15,19.677 21.15,16.349 32.7,4.8 58.3,4.8 58.3,49.53 49.125,49.53 49.125,42.051 41.342,42.051
GND on Layer 3 "L3_GND" (solid, remove dead copper, pour order 19): 0,1.85 ccw(c1.85,1.85) 1.85,0 58,0.051 ccw(c58.23,1.767) 59.946,1.539 60,49 ccw(c58,49) 58,51 2,51 ccw(c2,49) 0,49
GND on Layer 2 "L2_GND" (solid, remove dead copper, pour order 7): 0,1.85 ccw(c1.85,1.85) 1.85,0 58,0.051 ccw(c58.23,1.767) 59.946,1.539 60,49 ccw(c58,49) 58,51 2,51 ccw(c2,49) 0,49
GND on Layer 4 "L5_GND" (solid, remove dead copper, pour order 20): 0,1.85 ccw(c1.85,1.85) 1.85,0 58,0.051 ccw(c58.23,1.767) 59.946,1.539 60,49 ccw(c58,49) 58,51 2,51 ccw(c2,49) 0,49
GND on Layer 5 "GND_L05_P010" (solid, remove dead copper, pour order 21): 0,1.85 ccw(c1.85,1.85) 1.85,0 58,0.051 ccw(c58.23,1.767) 59.946,1.539 60,49 ccw(c58,49) 58,51 2,51 ccw(c2,49) 0,49
GND on Layer 6 "L6_GND" (solid, remove dead copper, pour order 22): 0,1.85 ccw(c1.85,1.85) 1.85,0 58,0.051 ccw(c58.23,1.767) 59.946,1.539 60,49 ccw(c58,49) 58,51 2,51 ccw(c2,49) 0,49

## Other copper
Layer 1:
  pour cut-out: 39.6,12.35 40.75,12.35 40.75,9.7 39.6,9.7
Layer 3:
  region net 1V8: 26.15,13.45

## Silkscreen, mask and mechanical layers (free items; w line width, h text height)
Top Overlay:
  circle w0.2: c14.15,8.05 r1
  circle w0.25: c14.15,8.05 r0.25
  lines w0.2: 13.65,6 14.15,5.5 ; 14.15,7.75 14.15,5.5 ; 14.45,8.05 16.7,8.05 ; 14.65,6 14.15,5.5 ; 16.2,7.55 16.7,8.05 ; 16.2,8.55 16.7,8.05
  text "+" at 50.95,50.65 h2 r180
  text "-" at 52.7,50.4 h2 r180
  text "LEFT" at 55.8,42 h1.5 r90
  text "RIGHT" at 5.685,39.959 h1.5 r90
  text "+Z" at 13.15,9.3 h1.5
  text "+Y" at 16.603,6.695 h1.5
  text "+X" at 14.45,4.75 h1.5
  text "-" at 42.6,1.4 h2
  text "+" at 45,1.25 h2
Bottom Overlay:
  drawing of 10 lines, arcs and shapes, not listed
  text ".project_title  / .revision" at 38.5,48.2 h1.5
  text "+" at 46.05,47.4 h2 r180
  text "5V" at 47.3,47.4 h1.5
  text "-" at 47.8,47.15 h2 r180
  text "RST" at 51.7,44.2 h1.5
  text "ESP_GPIO15" at 18.866,43.79 h1 r330
  text "ESP_GPIO14" at 17.857,42.961 h1 r330
  text "ESP_GPIO2" at 8.063,41.999 h1 r270
  text "ESP_GPIO4" at 9.263,41.995 h1 r270
  text "ESP_GPIO12" at 10.514,41.512 h1 r270
  text "ESP_GPIO13" at 11.753,41.506 h1 r270
  text "FSIN2" at 32.969,40.595 h1 r270
  text "FSIN1" at 35.1,40.5 h1 r270
  text "SHUTTER SYNC" at 37.05,35.15 h1.25
  text "ENV_I2C" at 0.573,34.59 h1 r270
  text "I2C3" at 0.48,27.536 h1 r270
  text "uSD / Card" at 36.544,9.95 h1.5
  text "5V" at 54.4,6.25 h1.5 r270
  text "PG" at 51.75,6 h1.5 r270
  text "RUN" at 49.2,5.5 h1.5 r270
  text "ESP_GPIO39" at 8.113,4.228 h1 r270
  text "ESP_GPIO36" at 9.363,4.228 h1 r270
  text "ESP_GPIO35" at 10.663,4.228 h1 r270
  text "ESP_GPIO34" at 11.863,4.228 h1 r270
  text "ESP_GPIO17" at 13.113,4.228 h1 r270
  text "ESP_GPIO16" at 14.363,4.228 h1 r270
  text "LiPo / CHGR" at 37.511,2.4 h1.5
Board:
  the board outline again, w0.1
Top Assembly:
  lines w0.1: 14.05,47.65 ccw(c14.05,47.65) 14.05,47.65
Dimensions:
  text "ALL UNITS IN MM" at 27,54.021 h2
Fab Notes:
  text "Use .GM1 only for board outline." at 17.932,2.236 h2
Drill Drawing:
  drawing of 351 lines, arcs and shapes, not listed
  text "Layer" at 45.499,92.616 h1
  text "Name" at 49.683,92.616 h1
  text "Material" at 57.773,92.616 h1
  text "Thickness" at 65.043,92.616 h1
  text "Constant" at 71.015,92.615 h1
  text "Board Layer Stack" at 76.542,92.616 h1
  text "Top Overlay" at 49.683,90.616 h1
  text "Top Mask" at 49.683,88.616 h1
  text "Solder Resist" at 57.773,88.615 h1
  text "0,59mil" at 65.043,88.616 h1
  text "3,8" at 71.015,88.616 h1
  text "Symbol" at -19.108,88.481 h1.2
  text "Count" at -14.41,88.48 h1.2
  text "Hole Size" at -9.539,88.48 h1.2
  text "Plated" at 0.024,88.481 h1.2
  text "Hole Type" at 4.148,88.481 h1.2
  text "Drill Layer Pair" at 10.152,88.481 h1.2
  text "1" at 45.499,86.616 h1
  text "Layer 1" at 49.683,86.616 h1
  text "Copper" at 57.773,86.616 h1
  text "1,38mil" at 65.043,86.616 h1
  text "1" at -14.41,86.412 h1
  text "70,87mil (1,800mm)" at -9.539,86.412 h1
  text "NPTH" at 0.024,86.412 h1
  text "Round" at 4.148,86.412 h1
  text "Layer 1 - Layer 6" at 10.152,86.412 h1
  text "Dielectric 1" at 49.683,84.616 h1
  text "2313" at 57.772,84.616 h1
  text "3,94mil" at 65.043,84.616 h1
  text "4,05" at 71.015,84.616 h1
  text "2" at -14.41,84.344 h1
  text "33,86mil (0,860mm)" at -9.539,84.343 h1
  text "PTH" at 0.024,84.344 h1
  text "Round" at 4.148,84.344 h1
  text "Layer 1 - Layer 6" at 10.152,84.344 h1
  text "2" at 45.498,82.616 h1
  text "Layer 2" at 49.683,82.616 h1
  text "Copper" at 57.773,82.616 h1
  text "0,69mil" at 65.043,82.616 h1
  text "2" at -14.41,82.275 h1
  text "78,74mil (2,000mm)" at -9.539,82.274 h1
  text "NPTH" at 0.024,82.275 h1
  text "Round" at 4.148,82.275 h1
  text "Layer 1 - Layer 6" at 10.152,82.275 h1
  text "Core 1" at 49.683,80.615 h1
  text "FR-4" at 57.773,80.616 h1
  text "22,24mil" at 65.042,80.616 h1
  text "4,5" at 71.015,80.616 h1
  text "2" at -14.41,80.206 h1
  text "NPTH" at 0.024,80.206 h1
  text "Round" at 4.148,80.206 h1
  text "Layer 1 - Layer 6" at 10.152,80.206 h1
  text "82,68mil (2,100mm)" at -9.539,80.205 h1
  text "3" at 45.499,78.616 h1
  text "Layer 3" at 49.683,78.616 h1
  text "Copper" at 57.773,78.616 h1
  text "0,69mil" at 65.043,78.616 h1
  text "2" at -14.41,78.137 h1
  text "82,68mil (2,100mm)" at -9.539,78.137 h1
  text "PTH" at 0.024,78.137 h1
  text "Round" at 4.148,78.138 h1
  text "Layer 1 - Layer 6" at 10.152,78.138 h1
  text "Dielectric 2" at 49.683,76.616 h1
  text "2116" at 57.772,76.615 h1
  text "5,00mil" at 65.043,76.616 h1
  text "4,25" at 71.015,76.616 h1
  text "3" at -14.41,76.069 h1
  text "41,34mil (1,050mm)" at -9.539,76.068 h1
  text "PTH" at 0.024,76.069 h1
  text "Slot" at 4.148,76.068 h1
  text "Layer 1 - Layer 6" at 10.152,76.069 h1
  text "4" at 45.499,74.616 h1
  text "Layer 4" at 49.683,74.616 h1
  text "Copper" at 57.773,74.616 h1
  text "0,69mil" at 65.043,74.616 h1
  text "4" at -14.41,74 h1
  text "23,62mil (0,600mm)" at -9.539,73.999 h1
  text "PTH" at 0.024,74 h1
  text "Slot" at 4.148,73.999 h1
  text "Layer 1 - Layer 6" at 10.152,74 h1
  text "Core 2" at 49.683,72.615 h1
  text "FR-4" at 57.773,72.616 h1
  text "22,24mil" at 65.042,72.616 h1
  text "4,5" at 71.015,72.616 h1
  text "4" at -14.41,71.931 h1
  text "118,11mil (3,000mm)" at -9.539,71.931 h1
  text "PTH" at 0.024,71.931 h1
  text "Round" at 4.148,71.932 h1
  text "Layer 1 - Layer 6" at 10.152,71.932 h1
  text "5" at 45.499,70.615 h1
  text "Layer 5" at 49.683,70.616 h1
  text "Copper" at 57.773,70.616 h1
  text "0,69mil" at 65.043,70.616 h1
  text "16" at -14.41,69.862 h1
  text "19,69mil (0,500mm)" at -9.539,69.862 h1
  text "PTH" at 0.024,69.863 h1
  text "Round" at 4.148,69.863 h1
  text "Layer 1 - Layer 6" at 10.152,69.863 h1
  text "Dielectric 3" at 49.683,68.616 h1
  text "2313" at 57.772,68.616 h1
  text "3,94mil" at 65.043,68.616 h1
  text "4,05" at 71.015,68.616 h1
  text "20" at -14.41,67.793 h1
  text "10,00mil (0,254mm)" at -9.539,67.793 h1
  text "PTH" at 0.024,67.794 h1
  text "Round" at 4.148,67.794 h1
  text "Layer 1 - Layer 6" at 10.152,67.794 h1
  text "6" at 45.499,66.615 h1
  text "Layer 6" at 49.683,66.616 h1
  text "Copper" at 57.773,66.616 h1
  text "1,38mil" at 65.043,66.616 h1
  text "478" at -14.41,65.724 h1
  text "8,00mil (0,203mm)" at -9.539,65.724 h1
  text "PTH" at 0.024,65.725 h1
  text "Round" at 4.148,65.725 h1
  text "Layer 1 - Layer 6" at 10.152,65.725 h1
  text "Bottom Mask" at 49.683,64.616 h1
  text "Solder Resist" at 57.773,64.615 h1
  text "0,59mil" at 65.043,64.616 h1
  text "3,8" at 71.015,64.616 h1
  text "534 Total" at -14.41,63.656 h1
  text "Bottom Overlay" at 49.683,62.616 h1
  text "Slot definitions :" at -19.108,62.208 h1
  text "Routed Path Length" at -12.291,62.209 h1
  text "= Calculated from tool start centre position to tool end centre position." at -3.846,62.208 h1
  text "Hole Length" at -12.291,61.381 h1
  text "= Routed Path Length + Tool Size = Slot length as defined in the PCB layout" at -6.981,61.381 h1
  text "Total board thickness:" at 45.499,60.616 h1
  text "64,06mil" at 65.043,60.616 h1

## Dimensions
0,0 to 44.15,3.85 on Dimensions
44.65,3.35 to 60,0 on Dimensions
1.586,43.839 to 0,0 on Dimensions
0,0 to 1.586,43.839 on Dimensions
0,0 to 58.35,21.95 on Dimensions
58.35,21.95 to 58,0 on Dimensions
21.663,7.263 to 0,0 on Dimensions
0,0 to 32.45,5.7 on Dimensions
24.8,13 to 0,0 on Dimensions
25.079,13.5 to 0,0 on Dimensions
0,0 to 2,51 on Dimensions
0,0 to 60,2 on Dimensions
0,0 to 3.1,36.38 on Dimensions
58,0 to 53,16.1 on Dimensions
53.391,28.506 to 58,0 on Dimensions
58.075,40.9 to 58,0 on Dimensions
8.3,28.5 to 0,0 on Dimensions
11.475,1.7 to 0,0 on Dimensions
11.475,49.3 to 0,49 on Dimensions
7.8,29 to 0,0 on Dimensions
48.8,42.938 to 0,0 on Dimensions
9.8,43.938 to 49.8,43.938 on Dimensions
19.8,31.706 to 0,0 on Dimensions
19.8,31.706 to 0,0 on Dimensions
9.8,43.938 to 19.8,42.96 on Dimensions

## Text inside footprints (layer, text, board x,y; h text height)
J5: Bottom Overlay "1" at 17.975,0.5 h1; Bottom Overlay "8" at 5.225,0.5 h1
J6: Bottom Overlay "1" at 4.975,50.5 h1 r180; Bottom Overlay "8" at 17.725,50.5 h1 r180
J7: Bottom Overlay "-" at 59.5,8.9 h3; Bottom Overlay "+" at 52.3,8.65 h3; Bottom Overlay "5V" at 59.4,6 h3
MISC1: Bottom Assembly "BW1099 Module" at 31.55,27.7 h2
U5: Assembly Notes "Based on 0.125 thick stencil" at 42.905,31.1 h0.5 r90
U11: Top Assembly "WROOM" at 32.8,25.26 h1; Top Assembly "PCB ANTENNA" at 28.8,47 h2; Top Assembly "WROVER" at 32.8,20.01 h1